# KiCad board mono_v2.kicad_pcb
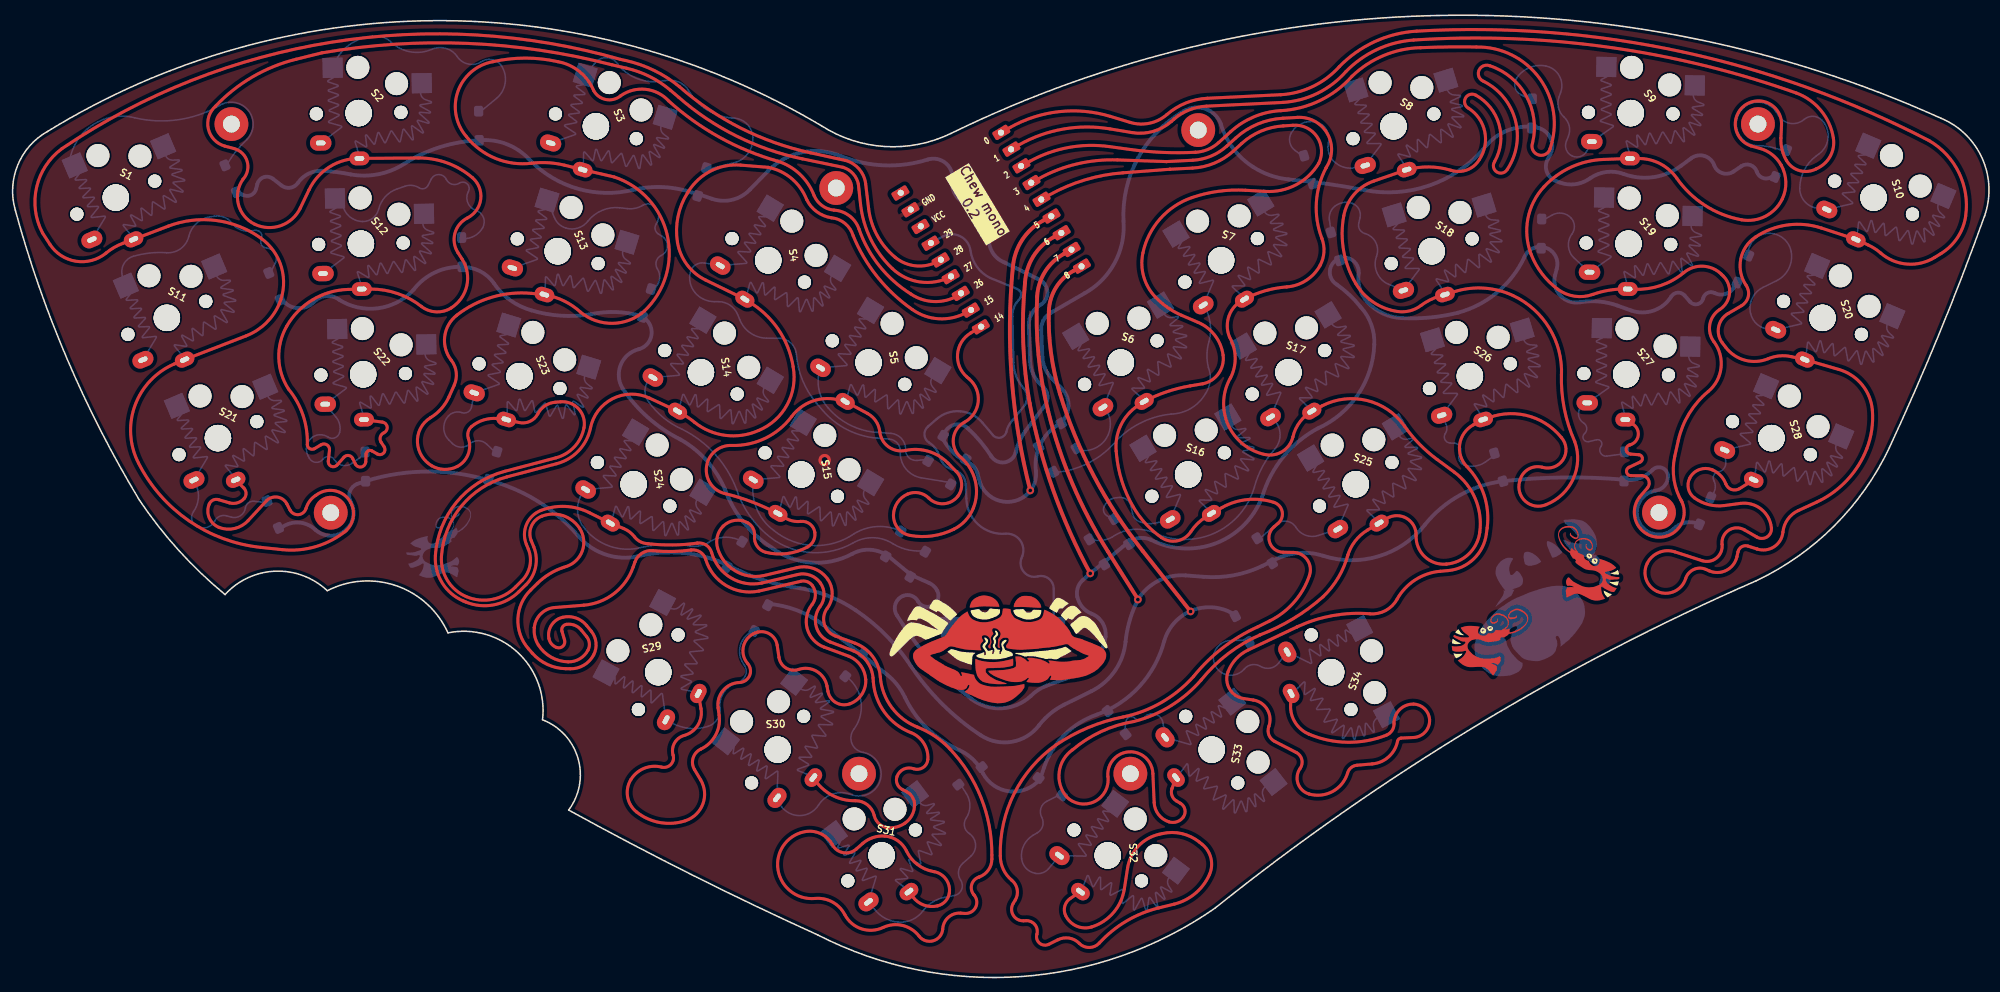
[diagram p0: board, top side]
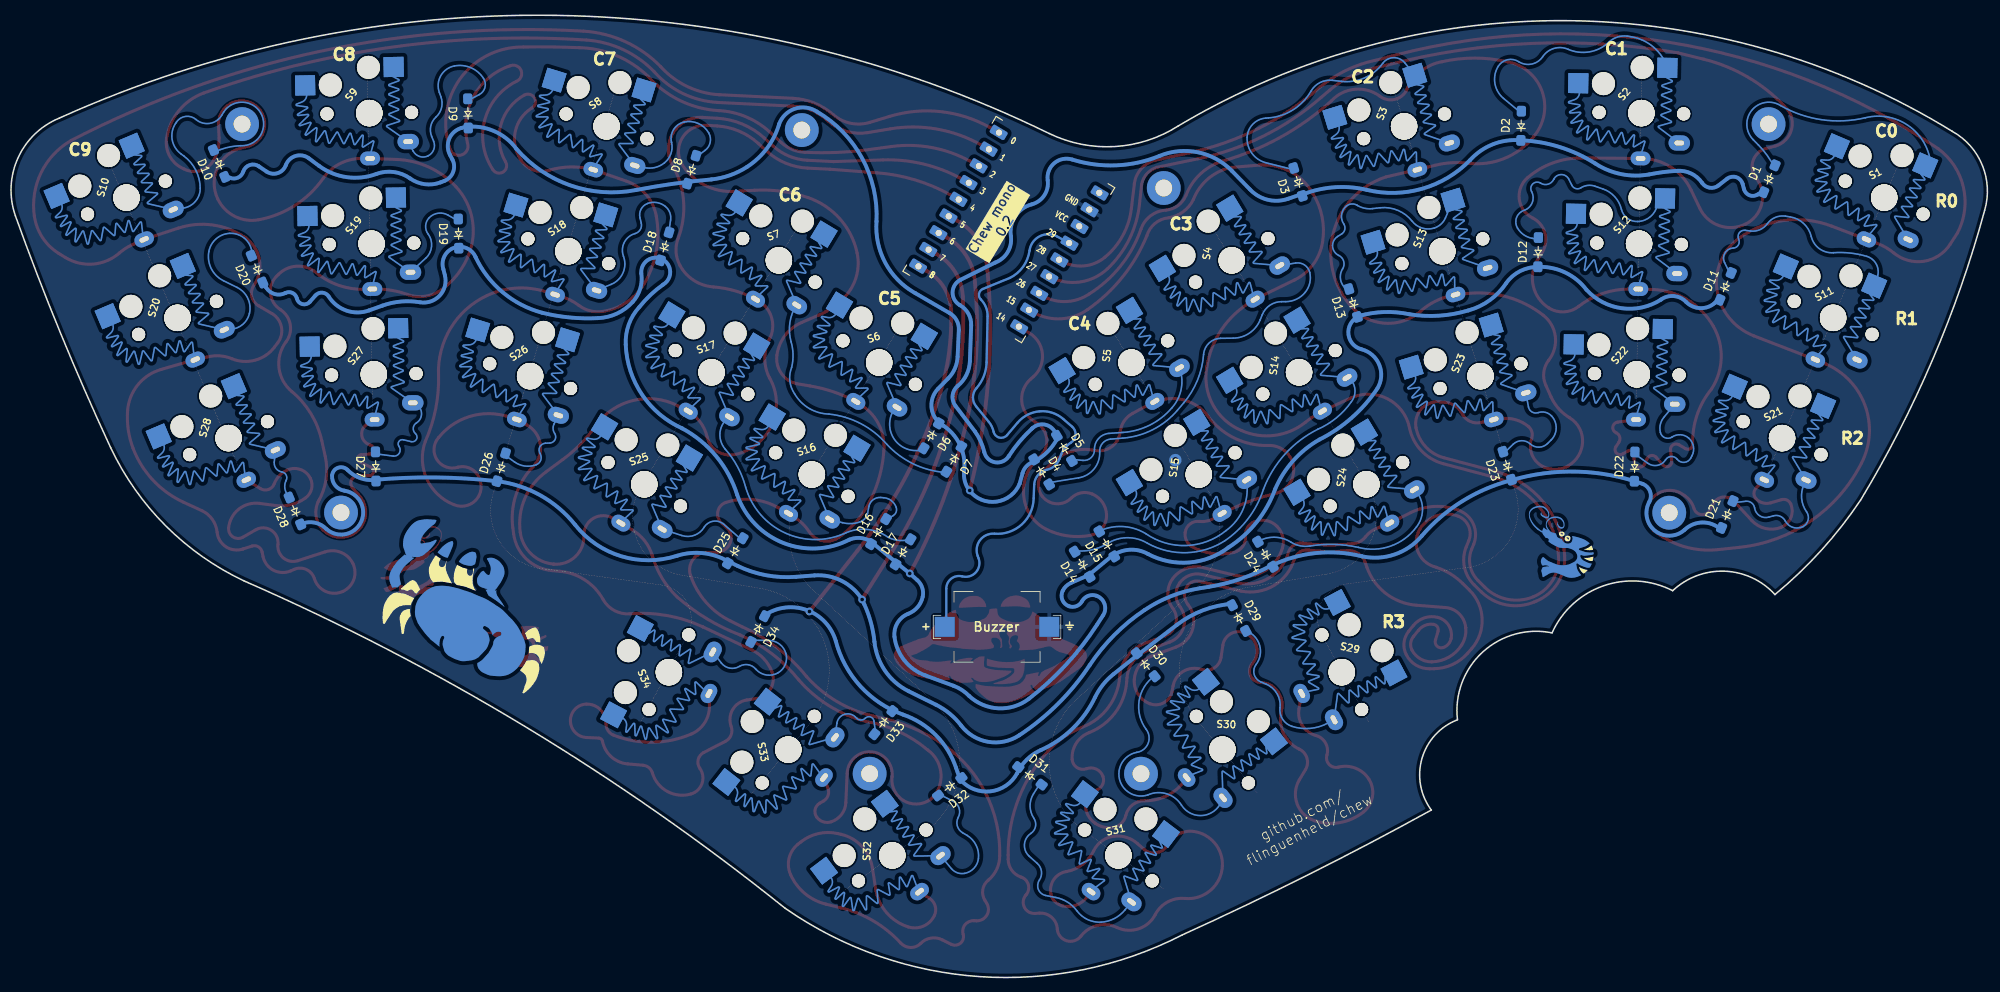
[diagram p1: board, bottom side, seen from below]

Outline 257.1 x 125.24 mm; copper layers: Top, Bottom. Coordinates in mm from the lower left corner of the outline.
Outline path: 0.36,99.83 arc(0.66,105.72) 4.57,110.12 arc(54.8,124.53) 105.24,110.84 arc(113.51,108.15) 122.04,109.84 arc(186.21,125.22) 250.84,111.84 arc(256.21,106.62) 256.54,99.14 arc(250.68,83.9) 244.14,68.94 arc(236.99,58.79) 226.84,51.64 arc(190.23,32.66) 156.44,9.04 arc(131.07,0.11) 104.74,5.54 arc(88.38,13.35) 72.34,21.79 arc(73.56,28.51) 68.94,33.54 arc(65.68,42.34) 56.64,44.85 arc(49.97,50.97) 40.94,50.34 arc(34.18,52.88) 27.64,49.84 arc(21.63,55.57) 16.5,62.11 arc(7.13,80.42) 0.36,99.83

## Placement (name value [footprint] x y rotation side)
Buzzer1  Buzzer  [Buzzer_Mallory_AST1109MLTRQ]  128.84 45.64 180 bottom
D1  Diode  [Diode_SOD-123_chew]  28.37 103.95 113 bottom
D2  Diode  [Diode_SOD-123_chew]  60.66 110.85 91 bottom
D3  Diode  [Diode_SOD-123_chew]  89.68 103.54 73 bottom
D4  Diode  [Diode_SOD-123_chew]  123.03 65.8 239 bottom
D5  Diode  [Diode_SOD-123_chew]  120.08 68.86 239 bottom
D6  Diode  [Diode_SOD-123_chew]  137.4 70.5 301 bottom
D7  Diode  [Diode_SOD-123_chew]  134.45 67.45 301 bottom
D8  Diode  [Diode_SOD-123_chew]  168.55 105.14 107 bottom
D9  Diode  [Diode_SOD-123_chew]  197.66 112.46 89 bottom
D10  Diode  [Diode_SOD-123_chew]  230.03 105.94 67 bottom
D11  Diode  [Diode_SOD-123_chew]  34.07 89.95 113 bottom
D12  Diode  [Diode_SOD-123_chew]  58.45 94.4 91 bottom
D13  Diode  [Diode_SOD-123_chew]  82.51 87.79 73 bottom
D14  Diode  [Diode_SOD-123_chew]  117.76 53.78 59 bottom
D15  Diode  [Diode_SOD-123_chew]  114.56 56.43 59 bottom
D16  Diode  [Diode_SOD-123_chew]  144.25 58.03 121 bottom
D17  Diode  [Diode_SOD-123_chew]  141.06 55.4 121 bottom
D18  Diode  [Diode_SOD-123_chew]  172.06 95.15 107 bottom
D19  Diode  [Diode_SOD-123_chew]  198.89 96.81 89 bottom
D20  Diode  [Diode_SOD-123_chew]  225.1 92.2 67 bottom
D21  Diode  [Diode_SOD-123_chew]  33.84 60.26 113 bottom
D22  Diode  [Diode_SOD-123_chew]  45.89 66.49 91 bottom
D23  Diode  [Diode_SOD-123_chew]  62.47 66.61 73 bottom
D24  Diode  [Diode_SOD-123_chew]  93.92 55.09 59 bottom
D25  Diode  [Diode_SOD-123_chew]  162.89 55.54 121 bottom
D26  Diode  [Diode_SOD-123_chew]  193.33 66.41 107 bottom
D27  Diode  [Diode_SOD-123_chew]  209.66 66.51 89 bottom
D28  Diode  [Diode_SOD-123_chew]  220.17 60.72 67 bottom
D29  Diode  [Diode_SOD-123_chew]  97.36 46.78 242 bottom
D30  Diode  [Diode_SOD-123_chew]  109.5 40.7 232 bottom
D31  Diode  [Diode_SOD-123_chew]  124.55 26.25 217 bottom
D32  Diode  [Diode_SOD-123_chew]  134.99 24.83 323 bottom
D33  Diode  [Diode_SOD-123_chew]  143.62 33.17 308 bottom
D34  Diode  [Diode_SOD-123_chew]  159.95 45.35 298 bottom
G***  -  [LOGO]  128.69 43.19 358 top
G***#2  -  [LOGO]  204.34 53.74 335 top
G***#3  -  [LOGO]  191.99 44.09 0 top
G***#4  -  [LOGO]  197.89 48.24 210 bottom
G***#5  -  [LOGO]  56.04 56.54 200 bottom
NOREF  -  [unnamed]  145.41 26.52 0 top
NOREF#2  -  [unnamed]  154.24 110.29 0 top
NOREF#3  -  [unnamed]  28.47 111.07 0 top
NOREF#4  -  [unnamed#2]  127.81 14.49 0 top
NOREF#5  -  [unnamed]  110.11 26.52 0 top
NOREF#6  -  [unnamed]  107.15 102.75 0 top
NOREF#7  -  [unnamed]  227.05 111.07 0 top
NOREF#8  -  [unnamed#2]  127.76 14.51 180 bottom
S1  Keyswitch  [Choc_V1_chew]  13.43 101.5 23 top
S2  Keyswitch  [Choc_V1_chew]  45.01 112.5 1 top
S3  Keyswitch  [Choc_V1_chew]  75.88 110.78 343 top
S4  Keyswitch  [Choc_V1_chew]  98.3 93.34 329 top
S5  Keyswitch  [Choc_V1_chew]  111.35 80.03 329 top
S6  Keyswitch  [Choc_V1_chew]  144.17 80.03 31 top
S7  Keyswitch  [Choc_V1_chew]  157.21 93.34 31 top
S8  Keyswitch  [Choc_V1_chew]  179.63 110.78 17 top
S9  Keyswitch  [Choc_V1_chew]  210.5 112.5 359 top
S10  Keyswitch  [Choc_V1_chew#3]  242.09 101.5 337 top
S11  Keyswitch  [Choc_V1_chew]  20.07 85.85 23 top
S12  Keyswitch  [Choc_V1_chew]  45.31 95.5 1 top
S13  Keyswitch  [Choc_V1_chew]  70.91 94.52 343 top
S14  Keyswitch  [Choc_V1_chew]  89.54 78.76 329 top
S15  Keyswitch  [Choc_V1_chew]  102.59 65.46 329 top
S16  Keyswitch  [Choc_V1_chew]  152.92 65.46 31 top
S17  Keyswitch  [Choc_V1_chew]  165.97 78.76 31 top
S18  Keyswitch  [Choc_V1_chew]  184.6 94.52 17 top
S19  Keyswitch  [Choc_V1_chew]  210.2 95.5 359 top
S20  Keyswitch  [Choc_V1_chew#3]  235.45 85.85 337 top
S21  Keyswitch  [Choc_V1_chew]  26.71 70.2 23 top
S22  Keyswitch  [Choc_V1_chew]  45.61 78.5 1 top
S23  Keyswitch  [Choc_V1_chew]  65.94 78.26 343 top
S24  Keyswitch  [Choc_V1_chew]  80.79 64.19 329 top
S25  Keyswitch  [Choc_V1_chew]  174.73 64.19 31 top
S26  Keyswitch  [Choc_V1_chew]  189.57 78.26 17 top
S27  Keyswitch  [Choc_V1_chew]  209.91 78.5 359 top
S28  Keyswitch  [Choc_V1_chew#3]  228.8 70.2 337 top
S29  Keyswitch  [Choc_V1_chew]  83.99 39.73 62 top
S30  Keyswitch  [Choc_V1_chew]  99.52 29.65 52 top
S31  Keyswitch  [Choc_V1_chew#2]  113.05 15.89 37 top
S32  Keyswitch  [Choc_V1_chew]  142.46 15.89 323 top
S33  Keyswitch  [Choc_V1_chew]  155.99 29.65 308 top
S34  Keyswitch  [Choc_V1_chew]  171.52 39.73 298 top
U1  RP2040_Zero  [RP2040_Zero_chew_mono]  127.3 97.34 31 top

## Library data of the parts
Buzzer1 = -: Description: Buzzer, polarized; ki_fp_filters: *Buzzer*
D1-D34 = -: Description: 1N4148 (DO-35) or 1N4148W (SOD-123); Sim.Device: D; Sim.Pins: 1=K 2=A; ki_fp_filters: D*DO?35*
S1-S34 = -: Description: Push button switch, normally open, two pins, 45° tilted

## Footprints (pads in the part's own frame, mm; a bottom-side part is the same pattern mirrored in y, then rotated)
Buzzer_Mallory_AST1109MLTRQ
  rect 2.6x2.6 smd: 1(-6.8,0) 2(6.8,0)
Choc_V1_chew
  round 1.702 hole 1.702 unplated: (-5.5,0) (-5.5,0) (5.5,0) (5.5,0)
  round 3.429 hole 3.429 unplated: (0,0) (0,0) (0,0)
  round 3 hole 3 unplated: (0,5.95) (5,3.75)
  oval 2.6x1.8 hole 1.27x0.635: 1(0,-5.9)
  rect 2.6x2.6 smd far side: 1(8.275,3.75) 2(-3.275,5.95)
  custom 10.23x11.05 smd far side: 1(8.275,3.75)
  oval 2.8x2 hole 1.27x0.635: 2(-5,-3.8)
  custom 3.125x11.15 smd far side: 2(-3.275,5.95)
Choc_V1_chew#2
  round 1.702 hole 1.702 unplated: (-5.5,0) (-5.5,0) (5.5,0) (5.5,0)
  round 3.429 hole 3.429 unplated: (0,0) (0,0) (0,0)
  round 3 hole 3 unplated: (0,5.95) (5,3.75)
  oval 2.6x1.8 hole 1.27x0.635: 1(0,-5.9)
  rect 2.6x2.6 smd far side: 1(8.275,3.75) 2(-3.275,5.95)
  custom 10.23x11.05 smd far side: 1(8.275,3.75)
  oval 2.8x2 hole 1.27x0.635: 2(-5,-3.8)
  custom 3.125x11.15 smd far side: 2(-3.275,5.95)
Choc_V1_chew#3
  round 1.702 hole 1.702 unplated: (-5.5,0) (-5.5,0) (5.5,0) (5.5,0)
  round 3.429 hole 3.429 unplated: (0,0) (0,0) (0,0)
  round 3 hole 3 unplated: (0,5.95) (5,3.75)
  oval 2.6x1.8 hole 1.27x0.635: 1(0,-5.9)
  rect 2.6x2.6 smd far side: 1(8.275,3.75) 2(-3.275,5.95)
  custom 10.23x11.05 smd far side: 1(8.275,3.75)
  oval 2.8x2 hole 1.27x0.635: 2(-5,-3.8)
  custom 3.125x11.15 smd far side: 2(-3.275,5.95)
Diode_SOD-123_chew
  rrect 1.4x1.2 smd: 1(-1.65,0) 2(1.65,0)
RP2040_Zero_chew_mono
  rrect 2.21x1.2 hole 0.813: 1(7.6,10.16) 2(7.6,7.62) 3(7.6,5.08) 4(7.6,2.54) 5(7.6,0) 6(7.6,-2.54) 7(7.6,-5.08) 8(7.6,-7.62) 9(7.62,-10.16) 15(-7.62,-10.16) 16(-7.62,-7.62) 17(-7.62,-5.08) 18(-7.62,-2.54) 19(-7.62,0) 20(-7.62,2.54) 21(-7.62,5.08) 22(-7.62,7.62) 23(-7.62,10.16)
unnamed
  round 4.4 hole 2.2: (0,0)
unnamed#2
  round 4.4 hole 2.2: (-86.42,45.994)

## Nets
GND: Buzzer1.2 U1.22
Buzzer: Buzzer1.1 U1.20
Col 0: S1.1 S11.1 S21.1 U1.19
Col 1: S2.1 S12.1 S22.1 U1.18
Col 2: S3.1 S13.1 S23.1 S29.1 U1.17
Col 3: S4.1 S14.1 S24.1 S30.1 U1.16
Col 4: S5.1 S15.1 S31.1 U1.15
Col 5: S6.1 S16.1 S32.1 U1.5
Col 6: S7.1 S17.1 S25.1 S33.1 U1.4
Col 7: S8.1 S18.1 S26.1 S34.1 U1.3
Col 8: S9.1 S19.1 S27.1 U1.2
Col 9: S10.1 S20.1 S28.1 U1.1
Row 0: D1.1 D2.1 D3.1 D4.1 D5.1 D6.1 D7.1 D8.1 D9.1 D10.1 U1.6
Row 1: D11.1 D12.1 D13.1 D14.1 D15.1 D16.1 D17.1 D18.1 D19.1 D20.1 U1.7
Row 2: D21.1 D22.1 D23.1 D24.1 D25.1 D26.1 D27.1 D28.1 U1.8
Row 3: D29.1 D30.1 D31.1 D32.1 D33.1 D34.1 U1.9
Net-(D1-A): D1.2 S1.2
Net-(D2-A): D2.2 S2.2
Net-(D3-A): D3.2 S3.2
Net-(D4-A): D4.2 S4.2
Net-(D5-A): D5.2 S5.2
Net-(D6-A): D6.2 S6.2
Net-(D7-A): D7.2 S7.2
Net-(D8-A): D8.2 S8.2
Net-(D9-A): D9.2 S9.2
Net-(D10-A): D10.2 S10.2
Net-(D11-A): D11.2 S11.2
Net-(D12-A): D12.2 S12.2
Net-(D13-A): D13.2 S13.2
Net-(D14-A): D14.2 S14.2
Net-(D15-A): D15.2 S15.2
Net-(D16-A): D16.2 S16.2
Net-(D17-A): D17.2 S17.2
Net-(D18-A): D18.2 S18.2
Net-(D19-A): D19.2 S19.2
Net-(D20-A): D20.2 S20.2
Net-(D21-A): D21.2 S21.2
Net-(D22-A): D22.2 S22.2
Net-(D23-A): D23.2 S23.2
Net-(D24-A): D24.2 S24.2
Net-(D25-A): D25.2 S25.2
Net-(D26-A): D26.2 S26.2
Net-(D27-A): D27.2 S27.2
Net-(D28-A): D28.2 S28.2
Net-(D29-A): D29.2 S29.2
Net-(D30-A): D30.2 S30.2
Net-(D31-A): D31.2 S31.2
Net-(D32-A): D32.2 S32.2
Net-(D33-A): D33.2 S33.2
Net-(D34-A): D34.2 S34.2

Pads without a net: U1 21 23

## Via types
v1: diameter 1, hole 0.5, Top to Bottom, 4 vias
v2: diameter 1.6, hole 0.8, Top to Bottom, 1 via

## Routing (per net, layer and track width the routed paths; a pad name or vN(x,y) marks a point on that pad's centre or on a via; arc(x,y) is an arc through that point)
GND:
  vias: v2(105.64,67.34)
Buzzer: length 83.8
  Bottom w0.3: U1.20 121.01,96.43 arc(123.29,96.47) 124.61,94.6 arc(125.44,92.5) 127.17,91.04 130.67,89.61 arc(131.17,89) 130.95,88.25 arc(130.28,87.24) 130.06,86.05 130.2,80.06 arc(130.56,78.26) 131.51,76.69 arc(131.97,75.53) 131.56,74.34 129.9,72.31 arc(129.51,71.7) 129.28,71.02 arc(128.54,70.26) 127.53,70.59 126.17,72.2 arc(124.88,73.23) 123.29,73.69 arc(121.66,73.5) 120.23,72.7 119.06,71.69 arc(118.62,70.61) 119.23,69.61 arc(120,68.92) 120.51,68.03 120.7,67.52 arc(121.35,66.58) 122.37,66.07 arc(123.52,65.38) 124,64.14 124.07,62.38 arc(125.61,58.96) 129.16,57.76 arc(131.05,56.91) 131.35,54.87 131.24,54.56 arc(131.59,52.73) 133.37,52.2 arc(134.79,51.91) 135.44,50.6 135.44,45.64
Col 0: length 284.6
  Top w0.4: U1.19 120.33,93.18 arc(117.48,92.61) 114.8,93.74 arc(112.47,96.57) 111.36,100.07 110.97,103.34 arc(110.11,105.24) 108.34,106.34 103.75,107.34 arc(94.7,110.56) 86.74,115.94 arc(83.43,118.06) 79.71,119.35 79.09,119.49 arc(41.48,121.72) 6.44,107.89 arc(3.13,102.86) 3.89,96.9 4.85,95.42 arc(8.26,93.21) 12.18,94.3 arc(13.22,95.02) 14.36,95.56 S1.1 20.25,97.79 arc(26.46,98.52) 32.28,96.23 arc(34.98,92.4) 34.7,87.72 arc(32.97,85.17) 30.38,83.51 S11.1 ; 22.37,80.42 22.48,80.43 ; 22.37,80.42 S11.1 ; 22.37,80.42 S11.1 ; S11.1 21.08,79.87 arc(15.91,74.43) 16.37,66.96 arc(22.93,59.44) 32.28,55.98 35.07,55.68 arc(39.47,56.08) 43.38,58.15 ; 29.02,64.68 S21.1 30.08,63.7 arc(30.37,63.03) 30.12,62.34 arc(29.24,61.77) 28.19,61.77 26.79,62.19 arc(26.08,62.13) 25.59,61.63 arc(25.57,59.83) 26.86,58.58 arc(28.88,58.44) 30.62,59.45 33.04,62.06 arc(34.46,62.52) 35.67,61.65 36.09,60.84 arc(37.2,60.24) 38.17,61.05 arc(38.65,62.01) 39.44,62.75 ; 39.44,62.74 arc(43.71,62.25) 43.19,57.99
Col 1: length 247
  Top w0.4: S22.1 48.11,72.28 arc(48.73,71.66) 48.3,70.9 arc(47.84,70.36) 47.94,69.65 48.33,69.07 arc(48.26,68.25) 47.45,68.13 46.74,68.54 arc(46.25,68.54) 45.99,68.13 45.94,67.1 arc(45.37,66.44) 44.59,66.83 44.24,67.56 arc(43.71,67.94) 43.1,67.71 42.21,66.69 arc(41.45,66.53) 41.07,67.2 41.22,68.63 arc(40.89,69.32) 40.13,69.33 39.27,68.82 ; 35.89,76.59 arc(37.78,73.19) 38.34,69.34 arc(38.67,68.82) 39.29,68.84 ; U1.18 arc(118.08,90.51) 114.43,92.27 arc(111.63,96.1) 110.3,100.65 110.03,103.23 arc(109.34,104.61) 108.04,105.44 102.71,106.55 arc(94.17,109.51) 86.67,114.54 85.58,115.46 arc(82.91,117.24) 79.89,118.33 77.94,118.79 arc(59.17,121.57) 40.24,120.34 36.88,119.51 arc(31.2,117.2) 26.39,113.39 arc(25.46,110.44) 27.59,108.21 28.81,107.88 arc(30.51,106.21) 29.97,103.89 arc(29.37,100.62) 31.47,98.05 arc(34.87,97.84) 37.42,100.12 38.56,102.51 arc(41.24,105.51) S2.1 52.8,106.66 arc(56.54,106.01) 59.82,104.09 arc(60.9,101.3) 59.17,98.85 arc(57.54,96.87) 57.93,94.34 58.47,93.51 arc(59.08,90.02) 57.03,87.13 arc(55.08,86.62) 53.18,87.33 arc(50.09,89.01) 46.62,89.6 S12.1 43.62,89.55 arc(39.01,88.19) 35.65,84.75 arc(34.63,80.63) 35.9,76.58
Col 2: length 470
  Top w0.4: S3.1 71.81,105.71 arc(69.67,106.04) 67.51,105.97 arc(62.85,106.59) 59.07,109.4 ; S3.1 78.24,104.19 arc(85.17,96.59) 82.19,86.74 arc(78.06,85.13) 73.89,86.59 arc(71.77,88.03) 69.34,88.84 ; S3.1 74.15,105.14 ; S29.1 89.55,34.98 arc(89.13,32.81) 87.35,31.5 arc(86.1,30.51) 85.92,28.93 arc(85.63,27.72) 84.42,27.38 arc(82.17,27.23) 80.43,25.76 arc(80,23.52) 81.16,21.55 arc(84.2,20.16) 87.54,20.4 arc(89.8,22.59) 89.51,25.72 88.71,27.05 arc(88.52,28.57) 89.53,29.72 arc(91.44,31.52) 91.91,34.11 91.77,35.09 arc(92.41,37.34) 94.51,38.39 arc(95.86,39.26) 95.63,40.85 arc(95.13,43.29) 96.97,44.96 arc(98.59,44.64) 99.46,43.24 99.69,41.66 arc(100.61,40.27) 102.26,40.09 arc(104.59,39.86) 105.94,37.94 106.07,37.24 arc(107.12,35.77) 108.93,35.62 arc(110.48,36.86) 110.98,38.79 arc(110.34,40.59) 108.86,41.78 105.57,42.99 arc(103.38,45.37) 104,48.54 arc(104.43,49.75) 104.06,50.98 arc(103.38,51.51) 102.52,51.56 97.08,50.29 arc(92.82,51.01) 90.16,54.42 arc(89.44,55.38) 88.27,55.63 88.27,55.63 arc(85.78,55.44) 83.3,55.55 arc(81.87,55.22) 80.96,54.06 80.73,53.42 arc(78.25,49.98) 74.3,48.45 70.61,48.15 arc(68.76,47.37) 67.87,45.58 67.87,45.54 arc(67.94,44.37) 68.39,43.28 arc(70.05,41.69) 72.27,41.08 arc(73.78,41.47) 74.85,42.61 arc(75.03,43.51) 74.68,44.35 74,45.2 arc(73.12,45.84) 72.04,45.96 arc(71.55,45.64) 71.47,45.06 71.8,43.91 arc(71.59,43.12) 70.79,42.94 arc(70.12,43.39) 69.77,44.12 arc(70.1,45.85) 71.53,46.87 arc(73.26,46.8) 74.67,45.81 75.28,45.07 arc(75.89,43.58) 75.59,42 arc(74.33,40.65) 72.54,40.18 71.95,40.19 arc(69.57,40.74) 67.61,42.2 67.11,42.77 arc(65.73,46.66) 67.39,50.43 68.28,51.3 arc(69.86,52.54) 71.68,53.37 72.03,53.49 arc(74.12,55.54) 73.76,58.45 arc(71.58,60.11) 68.83,60.03 arc(67.48,58.73) 67.47,56.85 67.8,56.04 arc(68.04,53.42) 66.78,51.12 65.85,50.2 arc(62.6,48.49) 58.94,48.87 58.66,48.99 arc(55.89,51.35) 55,54.88 arc(57.73,61.84) 64.02,65.87 70.68,67.63 arc(73.07,69.06) 74.33,71.54 arc(73.65,73.99) 71.28,74.92 70.59,74.87 arc(69.26,74.4) 68.32,73.36 arc(67.29,72.37) 65.87,72.23 S23.1 ; 64.16,72.63 S23.1 ; S23.1 63.09,72.74 arc(61.3,72.57) 59.72,71.72 arc(59.26,71.01) 59.29,70.16 arc(59.25,68.05) 57.83,66.5 arc(56.15,66.12) 54.51,66.61 arc(53.22,67.87) 52.67,69.58 arc(53.05,71.46) 54.36,72.86 arc(55.77,74.03) 56.77,75.57 57.45,77.1 arc(57.71,78.77) 57.06,80.34 arc(56.21,83.42) 57.79,86.2 arc(62.38,88.54) 67.5,89.03 S13.1 ; U1.17 123.21,88.97 ; 123.4,89.02 arc(120.13,87.97) 116.85,88.96 arc(112.76,92.61) 110.11,97.41 arc(108.85,99.14) 106.85,99.87 arc(105.29,100.47) 104.26,101.77 arc(102.41,104.55) 99.54,106.24 arc(91.98,109.34) 85.34,114.09 arc(82.33,115.59) 79.09,114.74 arc(77.17,114.26) 75.59,115.44 arc(73.74,117.91) 70.94,119.19 arc(66.71,119.66) 62.49,119.19 arc(57.93,115.32) 59.04,109.44
Col 3: length 262.9
  Top w0.4: S14.1 82.83,75.41 arc(78.06,75.33) 75.18,71.53 arc(73.65,68.58) 70.8,66.87 64.3,65.15 arc(58.38,61.35) 55.79,54.81 arc(56.57,51.67) 59.02,49.56 arc(62.41,49.21) 65.41,50.81 66.27,51.67 arc(67.29,53.59) 67.09,55.75 66.83,56.37 arc(66.85,58.97) 68.72,60.78 arc(71.9,61.31) 75.02,60.5 S24.1 79.46,58.44 arc(80.26,57.99) 80.91,57.34 arc(81.58,56.76) 82.43,56.48 82.7,56.45 arc(85.88,56.29) 89.07,56.53 89.07,56.53 arc(90.23,56.27) 90.93,55.31 arc(93.42,52.02) 97.48,51.34 102.14,52.45 arc(103.78,52.35) 105.08,51.34 arc(105.56,49.8) 105.04,48.27 arc(104.55,45.64) 106.36,43.67 109.36,42.52 arc(111.15,41.11) 111.93,38.97 111.97,38.48 arc(113.46,34.47) 116.86,31.87 arc(118.53,30.49) 119.06,28.39 arc(118.43,27.31) 117.19,27.17 arc(115.92,27.12) 115.06,26.18 arc(115.07,25.2) 115.72,24.47 116.31,24.17 arc(117.06,23.47) 117.34,22.48 arc(117,21.12) 116.06,20.07 arc(115.09,19.61) 114.02,19.48 arc(112.78,19.95) 112.08,21.08 arc(111.2,22.48) 109.63,23 arc(106.5,23.78) 104.18,26.01 S30.1 ; S4.1 90.15,90.77 arc(87.72,92.79) 86.49,95.71 arc(86.55,99.01) 87.78,102.08 87.93,102.32 arc(90.85,104.97) 94.72,105.73 98.29,105.44 arc(101.34,103.98) 103.3,101.24 arc(104.61,99.66) 106.5,98.88 arc(108.29,98.14) 109.35,96.53 arc(112.5,91.18) 117.04,86.94 arc(120.51,85.73) 124.09,86.55 ; 95.69,87.99 arc(99.57,84.4) 101.54,79.49 arc(100.76,74.54) 97.04,71.19 arc(92.74,70.55) 88.74,72.24 arc(87.7,73) 86.59,73.64
Col 4: length 273.5
  Top w0.4: S15.1 100.51,59.81 arc(101.48,59.41) 102.52,59.36 arc(103.73,59.01) 104.36,57.92 arc(104.18,56.82) 103.4,56.02 arc(100.77,55.17) 98.01,55.33 arc(96.86,56.11) 96.51,57.45 arc(96.32,58.47) 95.59,59.2 arc(93.93,59.49) 92.43,58.73 arc(91.68,57.42) 91.7,55.91 91.71,55.89 arc(93.99,52.93) 97.68,52.3 102.05,53.34 arc(104.26,53.21) 106.02,51.86 arc(106.62,49.95) 105.97,48.05 arc(105.6,45.98) 107.04,44.44 109.63,43.49 arc(111.89,41.78) 112.88,39.12 arc(114.35,35.16) 117.7,32.59 arc(119.98,31.4) 121.93,29.74 arc(126,23.37) 127.39,15.94 127.39,15.4 arc(126.95,13.99) 125.78,13.09 125.65,13.05 arc(124.76,12.07) 125.05,10.77 125.09,10.71 arc(125.27,9.12) 123.88,8.34 123.34,8.37 arc(121.72,7.82) 120.99,6.28 arc(119.77,4.78) 117.92,5.38 arc(115.78,6.77) 113.24,6.51 arc(110.41,6.34) 108.26,8.18 arc(106.65,9.82) 104.4,10.28 arc(101.05,11.35) 99.52,14.51 arc(100.51,17.47) 103.22,19 arc(105.2,18.68) 106.64,17.28 arc(108.06,16.24) 109.75,16.71 110.59,17.45 arc(111.94,18.22) 113.49,18.4 arc(115.14,17.81) 116.28,16.47 arc(117.7,14.71) 119.77,13.79 119.87,13.77 arc(121.43,12.77) 121.85,10.96 arc(121.34,9.91) 120.33,9.32 arc(118.55,9.42) 117.11,10.48 S31.1 ; U1.15 124.62,83.87 arc(122.93,81.13) 124.15,78.15 124.43,77.9 arc(125.61,74.92) 123.82,72.26 arc(122.37,70.11) 123.34,67.7 arc(125.22,64.66) 124.98,61.09 arc(123.97,59.49) 122.45,58.34 arc(119.67,57.48) 116.75,57.53 arc(115.18,58.46) 114.59,60.19 arc(115.11,61.82) 116.43,62.91 arc(117.89,63.07) 119.19,62.38 arc(121.14,61.66) 122.97,62.65 arc(123.46,64.29) 122.76,65.84 121.69,66.94 arc(119.14,68.48) 116.17,68.59 arc(113.95,69.06) 112.81,71.03 arc(112.3,72.41) 111.21,73.41 S5.1 ; 99.59,60.34 arc(96.29,61.85) 92.84,62.94 arc(90.26,66.47) 93.64,69.24 arc(97.94,70.19) 101.34,73 arc(104.49,75.15) 108.29,74.89